# Altium PCB HSBNE-MOTOR.PcbDoc (part 2 of 3)
Units mm, origin at the board's own origin, x right, y up, seen from the top; angles counter-clockwise.
Board outline 150.03 x 100.03 mm, 2 copper layers (Top Layer, Bottom Layer); 144 components, 160 nets, 777 pads, 571 vias.
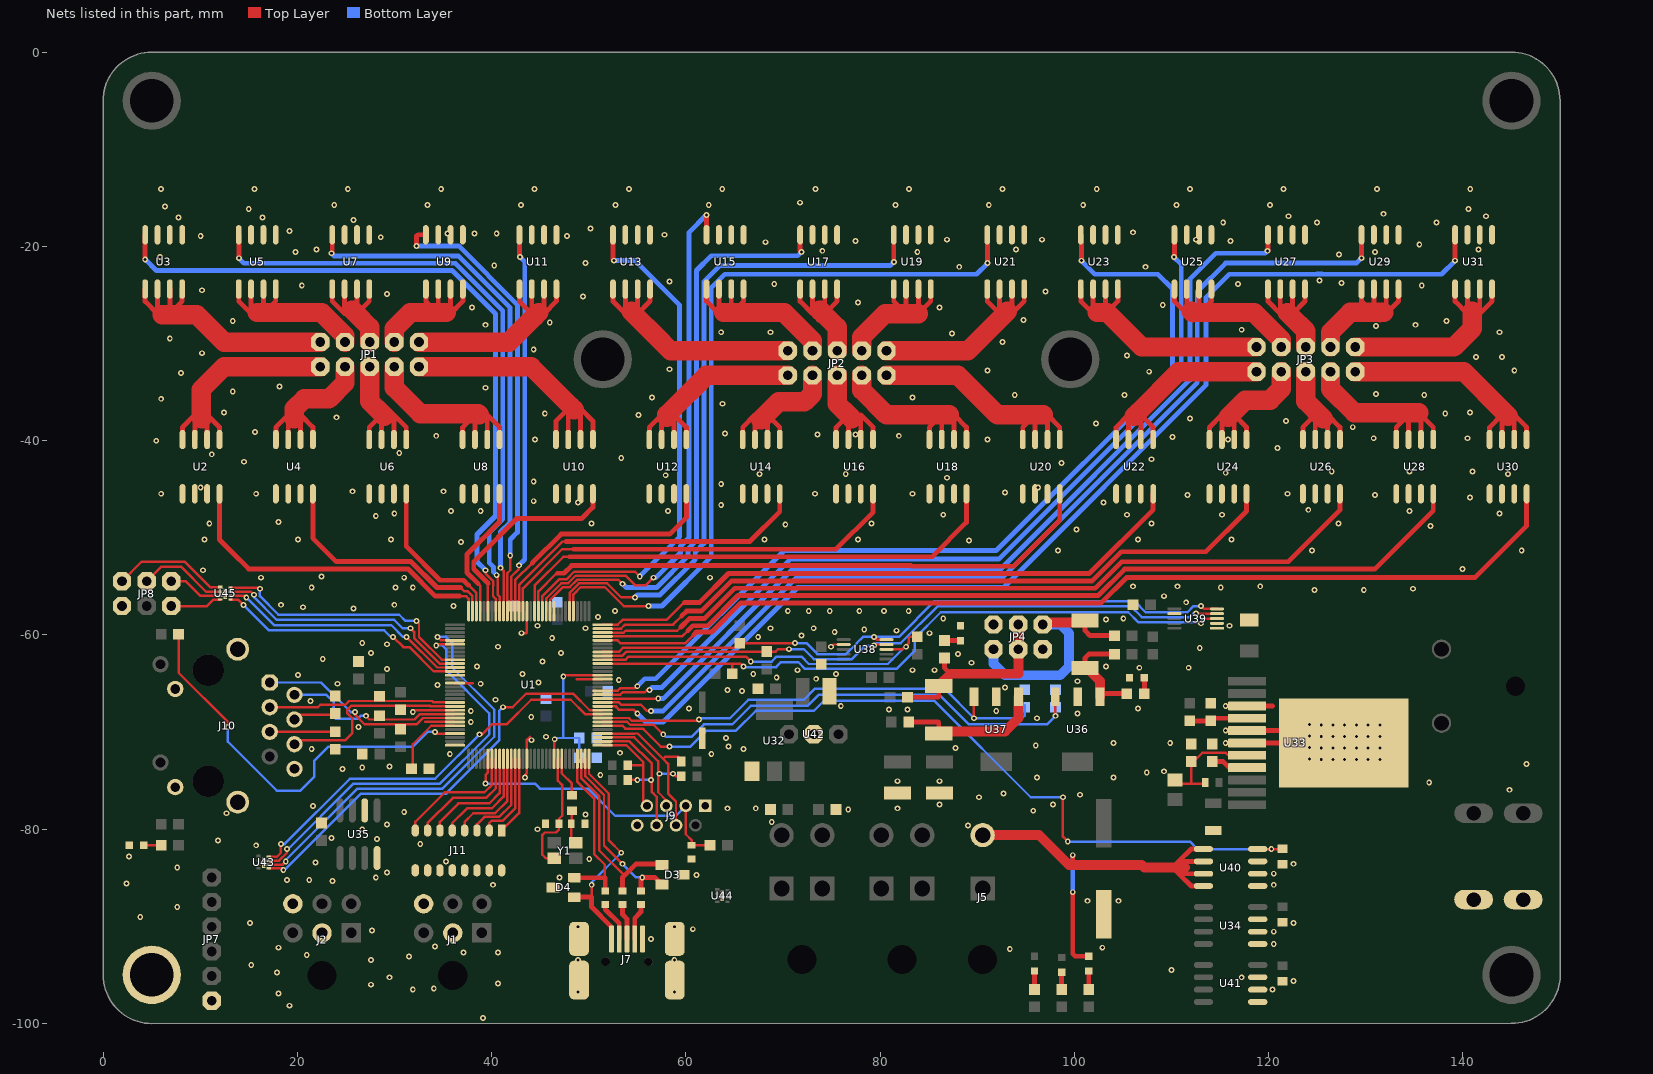
[diagram p2: the nets of this part, all layers, seen from the top]

## Via types
v1: diameter 0.6, hole 0.3, Top Layer to Bottom Layer, tented both sides, 543 vias
v2: diameter 0.6, hole 0.3, Top Layer to Bottom Layer, tented bottom, 28 vias

## Nets (pads, with @x,y where several pads share a name; then routed paths per layer and width w, separated by ;. In a path a pad name is that pad's centre, name@x,y a point inside that pad or via, vN(x,y) a via of type N, cw(c..) or ccw(c..) an arc to the next point about the centre after c; other vN are vias at no path point) (continued)
GND: C1.1 C2.1 C3.1 C4.1 C6.1 C7.2 C8.2 C9.2 C10.1 C11.1 C12.1 C13.- C14.1 C15.1 C16.1 C17.1 C20.1 C21.1 C22.2 C23.- C24.1 C25.1 C26.1 C28.1 C29.1 C30.2 C31.2 D1.2 D3.3 D4.3 D6.2 D7.2 J1.2 J1.6 J2.2 J2.6 J3.1 J3.2 J7.5 J7.6 J7.7 J7.8 J7.9 J9.1 J9.8 J10.8 J10.10 J10.12 J10.GND1 J10.GND2 J11.9 J11.10 J11.11 J11.12 J11.13 J11.14 J11.15 J11.16 JP4.2 JP4.5 JP7.6 JP8.6 pad.2 R2.1 R3.1 R4.1 R7.1 R8.1 R25.1 R41.1 R42.1 U1.10 U1.17 U1.48 U1.55 U1.58 U1.64 U1.80 U1.114 U2.1 U2.2 U2.3 U3.1 U3.2 U3.3 U4.1 U4.2 U4.3 U5.1 U5.2 U5.3 U6.1 U6.2 U6.3 U7.1 U7.2 U7.3 U8.1 U8.2 U8.3 U9.1 U9.2 U9.3 U10.1 U10.2 U10.3 U11.1 U11.2 U11.3 U12.1 U12.2 U12.3 U13.1 U13.2 U13.3 U14.1 U14.2 U14.3 U15.1 U15.2 U15.3 U16.1 U16.2 U16.3 U17.1 U17.2 U17.3 U18.1 U18.2 U18.3 U19.1 U19.2 U19.3 U20.1 U20.2 U20.3 U21.1 U21.2 U21.3 U22.1 U22.2 U22.3 U23.1 U23.2 U23.3 U24.1 U24.2 U24.3 U25.1 U25.2 U25.3 U26.1 U26.2 U26.3 U27.1 U27.2 U27.3 U28.1 U28.2 U28.3 U29.1 U29.2 U29.3 U30.1 U30.2 U30.3 U31.1 U31.2 U31.3 U32.1 U33.3 U33.5 U33.6 U33.12 U34.1 U34.2 U34.3 U35.2 U35.8 U36.2 U37.2 U38.7 U39.1 U39.2 U39.7 U40.1 U40.2 U40.3 U41.1 U41.2 U41.3 U42.2 U43.9 U44.9 U45.9 | length 41
  Top Layer w0.254: v1(31.877,-67.945) 32.071,-67.751 U1.55@36.215,-67.751 ; 33.157,-68.951 U1.58@36.215,-68.951 ; U1.48@36.215,-64.951 36.215,-64.962 38.038,-64.962 ; v1(43.053,-59.817) 43.561,-59.817 ; v1@43.434,-74.422 43.626,-74.23 43.626,-72.762 U1.80@43.615,-72.751 43.626,-72.74 43.626,-70.801 43.942,-70.485 ; 43.604,-59.774 43.604,-58.395 43.615,-58.384 U1.17@43.615,-57.551 ; 48.753,-64.551 U1.114@51.415,-64.551 ; v1(74.93,-61.214) 75.16,-60.984 U38.7@76.245,-60.984
  Top Layer w0.5: U33.6@117.876,-71.12 U33.12@127.626,-71.12 ; U33.5@117.876,-69.85 U33.12@126.356,-69.85 ; U33.3@117.876,-67.31 120.396,-67.31
  other v1: 39.116,-99.441 19.177,-98.171 18.034,-96.901 48.895,-96.774 58.801,-96.774 31.877,-96.52 120.396,-96.52 34.036,-96.393 27.559,-96.012 40.64,-95.885 122.555,-95.631 29.464,-95.25 117.221,-95.25 17.907,-94.742 109.982,-94.488 15.24,-93.98 27.559,-93.472 48.895,-93.472 58.801,-93.472 31.496,-93.091 20.955,-92.964 37.084,-92.71 40.64,-92.71 93.345,-92.329 18.034,-92.202 102.87,-92.202 34.163,-92.075 120.523,-91.821 56.388,-91.313 120.523,-90.551 27.686,-90.424 60.706,-90.297 48.895,-90.043 58.801,-90.043 15.113,-89.662 122.555,-89.662 3.81,-89.027 7.62,-88.011 101.346,-87.376 104.521,-87.376 40.132,-85.725 120.523,-85.725 2.413,-85.598 23.622,-85.344 18.923,-85.217 21.209,-85.217 28.067,-84.963 46.99,-84.963 61.087,-84.709 120.523,-84.582 29.21,-84.455 7.62,-83.947 122.555,-83.566 21.844,-83.439 35.306,-83.312 50.038,-83.058 2.667,-82.804 15.748,-81.661 32.639,-81.534 11.811,-81.153 28.194,-81.026 23.495,-80.899 26.67,-80.01 44.704,-80.01 89.027,-79.629 29.21,-79.502 68.834,-79.248 49.657,-78.486 12.7,-78.359 30.988,-78.232 95.758,-78.105 76.708,-77.978 64.262,-77.851 67.183,-77.851 81.788,-77.851 21.59,-77.597 86.106,-77.47 97.79,-77.47 90.17,-76.708 100.584,-76.454 92.71,-76.327 144.78,-75.946 136.525,-75.184 81.788,-75.057 86.106,-75.057 43.434,-74.676 96.139,-74.676 104.013,-74.676 51.181,-74.422 107.442,-74.168 109.22,-74.041 24.638,-73.787 26.67,-73.66 29.464,-73.533 146.558,-73.279 35.687,-72.263 62.611,-72.263 53.213,-72.136 21.463,-71.755 65.913,-71.755 87.757,-71.628 64.389,-71.501 96.012,-71.374 104.013,-71.12 109.855,-71.12 115.57,-71.12 44.1,-70.835 64.135,-70.612 45.593,-70.485 115.57,-69.85 26.289,-69.469 37.846,-68.961 96.139,-68.58 44.069,-68.453 100.33,-68.072 37.846,-67.818 91.948,-67.818 80.899,-67.691 82.804,-67.691 60.325,-67.564 106.553,-67.564 75.946,-67.31 115.57,-67.31 21.336,-66.802 40.386,-66.675 65.786,-65.786 64.262,-65.659 92.837,-65.405 34.417,-65.151 24.13,-65.024 38.862,-65.024 44.831,-64.897 100.33,-64.77 53.086,-64.643 73.406,-64.516 69.342,-64.389 20.066,-64.135 43.18,-64.008 66.929,-64.008 75.438,-64.008 71.501,-63.627 83.312,-63.627 85.598,-63.627 29.21,-63.5 106.68,-63.373 111.76,-63.373 38.481,-63.246 103.251,-63.246 89.408,-62.865 45.212,-62.738 22.606,-62.484 88.011,-61.976 27.559,-61.849 47.117,-61.849 112.903,-61.341 40.64,-61.214 29.21,-60.96 26.67,-60.833 46.228,-60.325 67.437,-60.198 71.882,-60.071 85.09,-59.817 75.311,-59.69 81.661,-59.563 78.359,-59.436 49.657,-59.309 68.707,-59.309 73.152,-59.309 44.704,-59.055 115.951,-59.055 103.251,-58.42 86.487,-58.293 105.029,-58.293 50.927,-58.166 52.705,-57.531 70.485,-57.531 72.644,-57.531 74.803,-57.531 77.851,-57.531 80.391,-57.531 82.931,-57.531 25.781,-57.277 20.574,-57.15 36.068,-57.023 18.288,-56.896 29.972,-56.896 111.506,-56.642 109.22,-56.007 124.714,-55.372 129.794,-55.372 134.874,-55.245 21.463,-55.118 30.099,-55.118 31.877,-55.118 115.062,-55.118 106.045,-54.991 110.617,-54.991 119.126,-54.991 16.256,-54.102 30.988,-54.102 62.484,-54.102 22.479,-53.975 10.287,-53.34 139.954,-53.213 98.298,-51.308 124.46,-51.308 146.05,-51.308 36.83,-50.419 89.154,-50.292 10.414,-50.165 20.066,-50.165 29.641,-50.165 68.094,-50.165 77.707,-50.165 106.548,-50.165 116.161,-50.165 100.203,-49.149 136.652,-48.768 70.231,-48.641 10.922,-48.514 50.264,-48.514 79.104,-48.514 107.945,-48.514 127.171,-48.514 18.034,-48.387 28.067,-47.752 86.487,-47.625 105.41,-47.625 115.189,-47.625 29.972,-47.498 143.764,-47.498 35.814,-47.244 38.862,-47.244 58.166,-47.244 134.493,-47.244 124.079,-47.117 63.627,-46.609 48.895,-46.355 102.997,-46.355 44.323,-46.228 140.716,-45.847 111.633,-45.593 130.937,-45.593 5.969,-45.466 15.748,-45.466 73.279,-45.466 83.312,-45.466 121.92,-45.466 92.837,-45.339 25.654,-45.212 35.052,-45.212 10.033,-44.831 96.266,-44.831 63.627,-44.45 44.323,-44.196 86.868,-43.815 57.912,-43.561 67.564,-43.434 76.454,-43.434 144.653,-43.434 115.57,-43.307 126.492,-43.18 134.493,-43.18 140.97,-43.18 98.679,-42.291 14.478,-42.164 107.95,-41.91 53.34,-41.783 11.176,-41.402 30.48,-41.275 120.904,-40.767 5.461,-40.005 44.45,-39.878 91.059,-39.878 115.824,-39.878 130.81,-39.751 140.462,-39.751 110.109,-39.624 34.29,-39.497 81.915,-39.497 73.533,-39.37 64.008,-39.243 15.621,-39.116 128.651,-38.608 102.235,-38.227 121.793,-37.973 111.887,-37.719 24.003,-37.592 55.118,-37.338 45.466,-37.211 138.176,-37.211 12.446,-37.084 140.716,-37.084 63.754,-36.195 5.969,-35.687 56.515,-35.56 83.312,-35.56 93.853,-35.306 105.156,-35.306 136.017,-35.306 131.064,-35.179 13.335,-34.925 39.37,-34.544 18.161,-34.417 8.001,-33.02 107.696,-32.893 91.059,-32.766 145.288,-32.766 58.293,-32.639 141.351,-31.369 144.018,-31.369 105.41,-31.242 10.16,-30.988 44.323,-30.607 92.583,-29.845 6.858,-29.464 87.376,-28.956 63.627,-28.829 68.707,-28.829 143.764,-28.829 117.221,-28.575 131.064,-28.194 39.37,-28.067 135.128,-28.067 45.974,-27.813 13.335,-27.686 138.303,-27.686 94.742,-27.559 37.973,-26.289 86.106,-26.289 109.093,-26.035 77.724,-25.781 49.403,-25.146 29.21,-24.892 97.028,-24.638 10.16,-24.511 20.447,-24.003 135.763,-24.003 69.088,-23.876 116.84,-23.876 127.508,-23.749 58.293,-23.622 125.222,-23.495 88.138,-22.098 107.315,-22.098 40.259,-21.971 49.657,-21.717 5.842,-21.082 127.254,-20.828 19.812,-20.574 83.82,-20.574 130.937,-20.574 74.041,-20.447 21.971,-20.32 93.98,-20.32 141.605,-20.32 135.509,-19.812 68.199,-19.558 77.47,-19.431 116.078,-19.431 86.868,-19.304 96.647,-19.304 112.522,-19.304 28.575,-19.05 10.033,-18.923 47.752,-18.923 57.785,-18.796 35.433,-18.669 38.227,-18.669 40.513,-18.669 106.045,-18.542 19.177,-18.415 50.165,-18.161 115.316,-17.526 124.968,-17.526 137.287,-17.526 25.781,-17.272 7.747,-17.018 16.383,-17.018 122.047,-16.891 142.367,-16.891 131.826,-16.637 14.986,-16.129 140.589,-16.129 6.35,-15.875 23.787,-15.748 33.4,-15.748 43.013,-15.748 52.729,-15.748 62.343,-15.748 81.569,-15.748 91.183,-15.748 100.899,-15.748 110.512,-15.748 120.125,-15.748 71.755,-15.494 5.957,-14.097 15.57,-14.097 25.184,-14.097 34.797,-14.097 44.41,-14.097 54.126,-14.097 63.74,-14.097 73.353,-14.097 82.966,-14.097 92.58,-14.097 102.296,-14.097 111.909,-14.097 121.522,-14.097 131.136,-14.097 140.749,-14.097
  other v2: 125.412,-72.813 126.619,-72.813 127.825,-72.813 129.032,-72.813 130.238,-72.813 131.445,-72.813 124.206,-72.771 125.412,-71.628 126.619,-71.628 127.825,-71.628 129.032,-71.628 130.238,-71.628 131.445,-71.628 124.206,-71.586 125.412,-70.443 126.619,-70.443 127.825,-70.443 129.032,-70.443 130.238,-70.443 131.445,-70.443 124.206,-70.4 125.412,-69.257 126.619,-69.257 127.825,-69.257 129.032,-69.257 130.238,-69.257 131.445,-69.257 124.206,-69.215
I2C5CLK: R33.1 U1.121 U38.5 U39.5 | length 68.6
  Top Layer w0.254: U1.121@51.415,-61.751 53.086,-61.751 53.496,-61.341 53.658,-61.341 53.692,-61.307 65.069,-61.307 R33.1@65.532,-60.844 v1(71.236,-60.844) ; v1(79.375,-60.198) 79.661,-60.484 U38.5@80.645,-60.484 ; v1(113.03,-57.023) 113.316,-57.309 U39.5@114.681,-57.309
  Bottom Layer w0.254: v1(71.236,-60.844) 72.401,-60.844 73.533,-61.976 76.473,-61.976 77.586,-60.863 77.586,-60.844 78.232,-60.198 v1(79.375,-60.198) 81.915,-60.198 85.598,-56.515 106.172,-56.515 107.315,-57.658 111.633,-57.658 112.268,-57.023 v1(113.03,-57.023)
I2C5SDA: R32.1 U1.120 U38.4 U39.4 | length 68.3
  Top Layer w0.254: U1.120@51.415,-62.151 53.467,-62.151 53.467,-62.103 53.859,-61.711 R32.1@68.326,-61.711 69.226,-61.711 69.469,-61.468 v1(70.612,-61.468) ; v1(79.375,-61.087) 79.478,-60.984 U38.4@80.645,-60.984 ; v1(112.522,-57.785) 112.546,-57.809 U39.4@114.681,-57.809
  Bottom Layer w0.254: v1(70.612,-61.468) 72.136,-61.468 73.152,-62.484 77.089,-62.484 78.486,-61.087 v1(79.375,-61.087) 79.629,-60.833 82.121,-60.833 85.931,-57.023 105.791,-57.023 106.934,-58.166 111.887,-58.166 112.268,-57.785 v1(112.522,-57.785) v1@112.649,-57.785
LINK-LED: R17.2 U1.61 | length 42.2
  Top Layer w0.254: R17.2@7.758,-59.944 7.758,-63.892 12.827,-68.961 v1(12.827,-69.469) ; v1(34.163,-69.977) 34.337,-70.151 36.169,-70.151 36.192,-70.128 U1.61@36.215,-70.151
  Bottom Layer w0.254: v1(12.827,-69.469) 12.827,-70.993 17.862,-76.028 20.312,-76.028 21.717,-74.623 21.717,-72.965 23.181,-71.501 31.877,-71.501 33.401,-69.977 v1(34.163,-69.977)
M_PWR_ON: R42.2 U1.103 U36.3 | length 53.6
  Top Layer w0.254: U1.103@51.415,-68.951 53.957,-68.951 54.251,-69.245 56.672,-69.245 v1(57.658,-70.231) ; U36.3@98.03,-66.473 98.03,-68.312 v1(98.044,-68.326)
  Bottom Layer w0.254: v1(57.658,-70.231) 57.919,-70.492 60.572,-70.492 61.849,-69.215 64.77,-69.215 66.675,-67.31 72.517,-67.31 73.66,-66.167 86.106,-66.167 89.154,-69.215 97.155,-69.215 v1(98.044,-68.326) R42.2@98.044,-67.248
M_SEN: JP4.3 JP4.4 R10.2 R28.2 R31.1 | length 20.1
  Top Layer w0.5: R31.1@82.815,-66.421 85.979,-66.421 86.028,-66.372 R10.2@86.028,-65.241 ; R28.2@86.614,-62.368 86.614,-63.373 87.249,-64.008
  Top Layer w1: R10.2@86.028,-65.241 86.028,-65.229 87.249,-64.008 94.248,-64.008 94.248,-58.972 JP4.4@94.204,-58.928
M_SEN_ALERT: R35.1 U1.119 U38.3 | length 37
  Top Layer w0.254: U1.119@51.415,-62.551 53.781,-62.551 54.102,-62.23 66.167,-62.23 v1(66.675,-62.738) ; U38.3@80.645,-61.484 82.28,-61.484 82.55,-61.214 v1(82.677,-61.214) 82.677,-61.087 82.931,-60.833 82.931,-60.325 83.069,-60.187 R35.1@83.82,-60.187
  Bottom Layer w0.254: v1(66.675,-62.738) 68.834,-62.738 69.342,-62.23 71.882,-62.23 72.644,-62.992 80.772,-62.992 82.55,-61.214 v1(82.677,-61.214)
M_SEN_ON: R41.2 U1.104 U37.3 | length 49.5
  Top Layer w0.254: U1.104@51.415,-68.551 54.123,-68.551 54.417,-68.845 61.203,-68.845 v1(61.341,-68.707) ; U37.3@89.648,-66.473 89.648,-68.566 v1(89.662,-68.58)
  Bottom Layer w0.254: v1(61.341,-68.707) 61.468,-68.58 64.516,-68.58 66.421,-66.675 72.136,-66.675 73.279,-65.532 86.614,-65.532 v1(89.662,-68.58) 94.6,-68.58 94.869,-68.311 R41.2@94.869,-67.221
M_VDD: JP4.1 JP4.6 R9.2 R12.1 | length 25.4
  Top Layer w0.5: R9.2@101.092,-58.51 101.092,-58.71 101.092,-59.563 101.6,-60.071 R12.1@104.129,-60.071
  Top Layer w1: JP4.6@96.744,-58.928 96.962,-58.71 R9.2@101.092,-58.71
  Bottom Layer w1: JP4.1@91.664,-61.468 91.664,-62.962 92.837,-64.135 98.552,-64.135 99.441,-63.246 99.441,-59.817 98.552,-58.928 JP4.6@96.744,-58.928
M_VDD_ALERT: R36.1 U1.118 U39.3 | length 68.8
  Top Layer w0.254: U1.118@51.415,-62.951 65.618,-62.951 v1(65.913,-63.246) ; R36.1@64.781,-64.008 64.781,-62.962 ; v1(113.03,-58.801) 113.522,-58.309 U39.3@114.681,-58.309
  Bottom Layer w0.254: v1(65.913,-63.246) 65.978,-63.311 69.277,-63.311 69.788,-62.8 71.563,-62.8 72.263,-63.5 81.661,-63.5 83.566,-61.595 83.566,-60.325 86.233,-57.658 105.537,-57.658 106.553,-58.674 112.903,-58.674 v1(113.03,-58.801)
MC1: U1.32 U2.4 | length 34.2
  Top Layer w0.254: 36.703,-56.007 37.338,-56.007 37.615,-56.284 U1.32@37.615,-57.551
  Top Layer w0.5: U2.4@11.971,-45.466 11.971,-50.198 13.208,-51.435 14.97,-53.197 31.379,-53.197 34.189,-56.007 36.703,-56.007
MC2: U1.25 U3.4 | length 73.1
  Top Layer w0.254: v1(39.37,-53.34) 39.37,-53.677 40.142,-54.449 40.142,-54.946 40.132,-54.956 40.132,-56.007 40.415,-56.29 U1.25@40.415,-57.551
  Top Layer w0.5: v1(4.318,-21.336) U3.4@4.318,-18.796
  Bottom Layer w0.5: v1(4.318,-21.336) 5.461,-22.479 15.621,-22.479 35.941,-22.479 40.386,-26.924 40.386,-47.752 38.481,-49.657 38.481,-52.451 v1(39.37,-53.34)
MC3: U1.31 U4.4 | length 25
  Top Layer w0.254: 36.78,-55.118 37.157,-55.495 37.505,-55.495 38.015,-56.005 U1.31@38.015,-57.551
  Top Layer w0.5: U4.4@21.584,-45.466 21.584,-50.024 24.003,-52.443 31.692,-52.443 34.367,-55.118 36.78,-55.118
MC4: U1.24 U5.4 | length 63.8
  Top Layer w0.254: v1(40.513,-53.848) 40.64,-53.975 40.64,-55.88 40.815,-56.055 U1.24@40.815,-57.551
  Top Layer w0.5: U5.4@13.952,-18.796 13.97,-18.814 v1(13.97,-21.209)
  Bottom Layer w0.5: v1(13.97,-21.209) 14.486,-21.725 36.253,-21.725 41.14,-26.612 41.14,-48.064 39.751,-49.453 39.751,-52.578 40.194,-53.021 40.194,-53.529 v1(40.513,-53.848)
MC5: U1.30 U6.4 | length 16.5
  Top Layer w0.254: 37.592,-54.864 38.415,-55.687 U1.30@38.415,-57.551
  Top Layer w0.5: U6.4@31.198,-45.466 31.198,-50.883 34.679,-54.364 37.092,-54.364 37.592,-54.864
MC6: U1.23 U7.4 | length 54.5
  Top Layer w0.254: v1(40.894,-53.086) 41.215,-53.407 U1.23@41.215,-57.551
  Top Layer w0.5: v1(23.495,-20.701) 23.586,-20.61 U7.4@23.586,-18.796
  Bottom Layer w0.5: v1(23.495,-20.701) 23.765,-20.971 36.566,-20.971 41.894,-26.299 41.894,-48.387 40.894,-49.387 v1(40.894,-53.086)
MC7: U1.29 U8.4 | length 14.1
  Top Layer w0.254: 38.602,-54.731 38.815,-54.944 U1.29@38.815,-57.551
  Top Layer w0.5: 38.602,-54.731 37.441,-53.57 37.441,-51.713 40.811,-48.343 U8.4@40.811,-45.466
MC8: U1.22 U9.4 | length 46.9
  Top Layer w0.254: U1.22@41.615,-57.551 41.615,-53.635 41.91,-53.34 v1(41.91,-51.816)
  Top Layer w0.5: v1(32.258,-19.939) 32.258,-18.923 32.385,-18.796 U9.4@33.22,-18.796
  Bottom Layer w0.5: v1(32.258,-19.939) 36.6,-19.939 42.648,-25.987 42.648,-49.437 41.91,-50.175 v1(41.91,-51.816)
MC9: U1.27 U10.4 | length 22.3
  Top Layer w0.254: U1.27@39.615,-57.551 39.615,-54.728
  Top Layer w0.5: 39.615,-54.728 39.615,-54.678 38.15,-53.213 38.15,-52.451 38.658,-51.943 42.595,-48.006 49.276,-48.006 50.419,-46.863 U10.4@50.419,-44.831
MC10: U1.21 U11.4 | length 39.6
  Top Layer w0.254: U1.21@42.015,-57.551 42.015,-53.997 42.799,-53.213 v1(42.799,-52.832)
  Top Layer w0.5: U11.4@42.853,-18.796 42.853,-21.009 v1(42.926,-21.082)
  Bottom Layer w0.5: v1(42.799,-52.832) 43.402,-52.229 43.402,-21.558 v1(42.926,-21.082)
MC11: U1.20 U12.4 | length 25.9
  Top Layer w0.254: U1.20@42.415,-57.551 42.415,-54.356 44.194,-52.576
  Top Layer w0.5: 44.194,-52.576 47.147,-49.624 51.468,-49.624 58.326,-49.624 60.038,-47.912 U12.4@60.038,-45.466
MC12: U1.13 U13.4 | length 53.8
  Top Layer w0.254: U1.13@45.215,-57.551 45.215,-56.004 46.942,-54.277 47.704,-54.277 48.488,-53.493 54.763,-53.493 v1(55.245,-53.975)
  Top Layer w0.5: U13.4@52.487,-18.796 52.487,-21.372 v1(52.578,-21.463)
  Bottom Layer w0.5: v1(52.578,-21.463) 54.779,-21.463 59.351,-26.035 59.351,-49.869 v1(55.245,-53.975)
MC13: U1.19 U14.4 | length 34.5
  Top Layer w0.254: U1.19@42.815,-57.551 42.815,-54.848 47.285,-50.378 47.625,-50.378
  Top Layer w0.5: 47.625,-50.378 63.541,-50.378 66.589,-50.378 69.651,-47.316 U14.4@69.651,-45.466
MC14: U1.12 U15.4 | length 55.8
  Top Layer w0.254: U1.12@45.615,-57.551 45.615,-56.239 47.177,-54.677 47.87,-54.677 48.654,-53.893 53.766,-53.893 54.737,-54.864 55.88,-54.864 v1(56.642,-54.102)
  Top Layer w0.5: v1(62.103,-16.764) 62.103,-18.778 U15.4@62.121,-18.796
  Bottom Layer w0.5: v1(56.642,-54.102) 56.896,-54.102 59.436,-51.562 59.436,-50.85 60.325,-49.961 60.325,-18.542 v1(62.103,-16.764)
MC15: U1.18 U16.4 | length 43.5
  Top Layer w0.254: U1.18@43.215,-57.551 43.215,-55.21 47.244,-51.181 48.403,-51.181
  Top Layer w0.5: 48.403,-51.181 72.392,-51.181 75.438,-51.181 79.264,-47.355 U16.4@79.264,-45.466
MC16: U1.11 U17.4 | length 61.3
  Top Layer w0.254: U1.11@46.015,-57.551 46.015,-56.405 47.343,-55.077 48.035,-55.077 48.819,-54.293 53.023,-54.293 v1(53.467,-54.737) 53.467,-54.61 53.594,-54.737 v1@53.594,-54.864
  Top Layer w0.5: U17.4@71.755,-18.796 71.755,-20.447 v1(71.882,-20.574)
  Bottom Layer w0.5: v1(53.467,-54.737) 53.848,-55.118 56.973,-55.118 60.198,-51.893 60.198,-51.155 61.087,-50.266 61.087,-22.479 62.611,-20.955 71.501,-20.955 v1@71.755,-20.701
MC17: U1.15 U18.4 | length 52.7
  Top Layer w0.254: U1.15@44.415,-57.551 44.415,-54.899 47.371,-51.943 48.004,-51.943
  Top Layer w0.5: 48.004,-51.943 85.344,-51.943 88.878,-48.409 U18.4@88.878,-45.466
MC18: U1.6 U19.4 | length 69.6
  Top Layer w0.254: U1.6@48.015,-57.551 48.015,-55.663 48.985,-54.693 51.899,-54.693 53.34,-56.134 v1(54.737,-56.134)
  Top Layer w0.5: U19.4@81.389,-18.796 81.389,-21.572 v1(81.407,-21.59)
  Bottom Layer w0.5: v1(54.737,-56.134) 54.991,-55.88 57.327,-55.88 60.952,-52.255 60.952,-51.467 61.849,-50.57 61.849,-23.622 63.5,-21.971 81.026,-21.971 v1(81.407,-21.59)
MC19: U1.14 U20.4 | length 61.3
  Top Layer w0.254: U1.14@44.815,-57.551 44.815,-55.515 46.584,-53.746
  Top Layer w0.5: 46.759,-53.646 47.443,-53.646 48.227,-52.862 83.174,-52.862 83.235,-52.923 93.762,-52.923 98.491,-48.194 U20.4@98.491,-45.466
MC20: U1.5 U21.4 | length 79.2
  Top Layer w0.254: U1.5@48.415,-57.551 48.415,-55.829 49.151,-55.093 51.664,-55.093 53.594,-57.023 v1(56.134,-57.023)
  Top Layer w0.5: U21.4@91.023,-18.796 91.059,-18.832 v1(91.059,-21.717)
  Bottom Layer w0.5: v1(56.134,-57.023) 57.531,-57.023 62.611,-51.943 62.611,-24.257 64.008,-22.86 89.916,-22.86 v1(91.059,-21.717)
MC21: U1.128 U22.4 | length 63.2
  Top Layer w0.254: U1.128@51.415,-58.951 52.959,-58.951 53.467,-58.443 58.016,-58.443 59.817,-56.642
  Top Layer w0.5: 59.817,-56.642 61.418,-56.642 64.383,-53.677 101.517,-53.677 108.105,-47.089 U22.4@108.105,-45.466
MC22: U1.111 U23.4 | length 94.3
  Top Layer w0.254: U1.111@51.415,-65.751 52.959,-65.751 53.213,-65.497 54.772,-65.497 v1(54.991,-65.278)
  Top Layer w0.5: U23.4@100.657,-18.796 100.711,-18.85 v1(100.711,-21.463)
  Bottom Layer w0.5: v1(54.991,-65.278) 55.753,-64.516 56.896,-64.516 70.104,-51.308 91.948,-51.308 110.109,-33.147 110.109,-24.384 108.585,-22.86 102.108,-22.86 v1(100.711,-21.463)
MC23: U1.127 U24.4 | length 73.1
  Top Layer w0.254: U1.127@51.415,-59.351 53.34,-59.351 ; 53.34,-59.347 53.34,-59.309 53.721,-58.928 58.674,-58.928 59.563,-58.039
  Top Layer w0.5: 59.563,-58.039 60.06,-57.542 61.584,-57.542 64.695,-54.431 101.829,-54.431 104.825,-51.435 110.871,-51.435 113.538,-51.435 117.718,-47.255 U24.4@117.718,-45.466
MC24: U1.110 U25.4 | length 88.1
  Top Layer w0.254: U1.110@51.415,-66.151 53.229,-66.151 53.467,-65.913 55.753,-65.913 56.007,-65.659 v1(56.261,-65.659)
  Top Layer w0.5: v1(110.236,-21.082) 110.29,-21.028 U25.4@110.29,-18.796
  Bottom Layer w0.5: v1(56.261,-65.659) 56.515,-65.405 57.531,-65.405 70.739,-52.197 92.202,-52.197 110.998,-33.401 110.998,-21.844 v1(110.236,-21.082)
MC25: U1.126 U26.4 | length 82.8
  Top Layer w0.254: U1.126@51.415,-59.751 53.594,-59.751 ; 53.594,-59.747 53.778,-59.563 59.105,-59.563 59.486,-59.182
  Top Layer w0.5: 59.486,-59.182 60.372,-58.296 61.923,-58.296 65.034,-55.185 102.142,-55.185 104.857,-52.47 119.424,-52.47 122.028,-52.47 127.331,-47.167 U26.4@127.331,-45.466
MC26: U1.109 U27.4 | length 95.3
  Top Layer w0.254: U1.109@51.415,-66.551 v1(57.147,-66.551)
  Top Layer w0.5: v1(119.888,-20.447) 119.924,-20.411 U27.4@119.924,-18.796
  Bottom Layer w0.5: v1(57.147,-66.551) 57.655,-66.551 70.971,-53.235 92.384,-53.235 111.886,-33.733 ; 111.887,-33.733 111.887,-23.368 114.554,-20.701 119.634,-20.701 v1(119.888,-20.447)
MC27: U1.125 U28.4 | length 92.6
  Top Layer w0.254: U1.125@51.415,-60.151 59.61,-60.151 60.198,-59.563
  Top Layer w0.5: 60.198,-59.563 60.711,-59.05 62.235,-59.05 65.346,-55.939 102.454,-55.939 105.169,-53.224 130.926,-53.224 131.445,-52.705 136.945,-47.205 U28.4@136.945,-45.466
MC28: U1.108 U29.4 | length 105.7
  Top Layer w0.254: U1.108@51.415,-66.951 53.086,-66.951 53.318,-67.183 55.372,-67.183 56.007,-67.818 v1(56.388,-67.818)
  Top Layer w0.5: v1(129.54,-21.209) 129.54,-18.814 U29.4@129.558,-18.796
  Bottom Layer w0.5: v1(56.388,-67.818) 57.658,-67.818 71.374,-54.102 92.584,-54.102 112.649,-34.037 112.649,-24.638 115.57,-21.717 129.032,-21.717 v1(129.54,-21.209)
MC29: U1.124 U30.4 | length 103.6
  Top Layer w0.254: U1.124@51.415,-60.551 52.959,-60.551 ; 52.959,-60.555 53.237,-60.833 59.944,-60.833 60.833,-59.944
  Top Layer w0.5: 60.833,-59.944 61.077,-59.7 62.651,-59.7 65.658,-56.693 102.766,-56.693 105.357,-54.102 141.224,-54.102 146.558,-48.768 U30.4@146.558,-45.466
MC30: U1.107 U31.4 | length 116.1
  Top Layer w0.254: U1.107@51.415,-67.351 52.832,-67.351 52.832,-67.437 53.107,-67.712 54.631,-67.712 v1(54.991,-68.072)
  Top Layer w0.5: v1(139.192,-21.463) U31.4@139.192,-18.796